# Altium PCB 400442.PcbDoc (part 2 of 4)
Units mil, origin at the board's own origin, x right, y up, seen from the top; angles counter-clockwise.
Board outline 5375 x 2500 mil, 4 copper layers (Top Layer, Mid-Layer 1, Mid-Layer 2, Bottom Layer), stack 59.252 mil thick; 333 components, 216 nets, 1371 pads, 1287 vias.
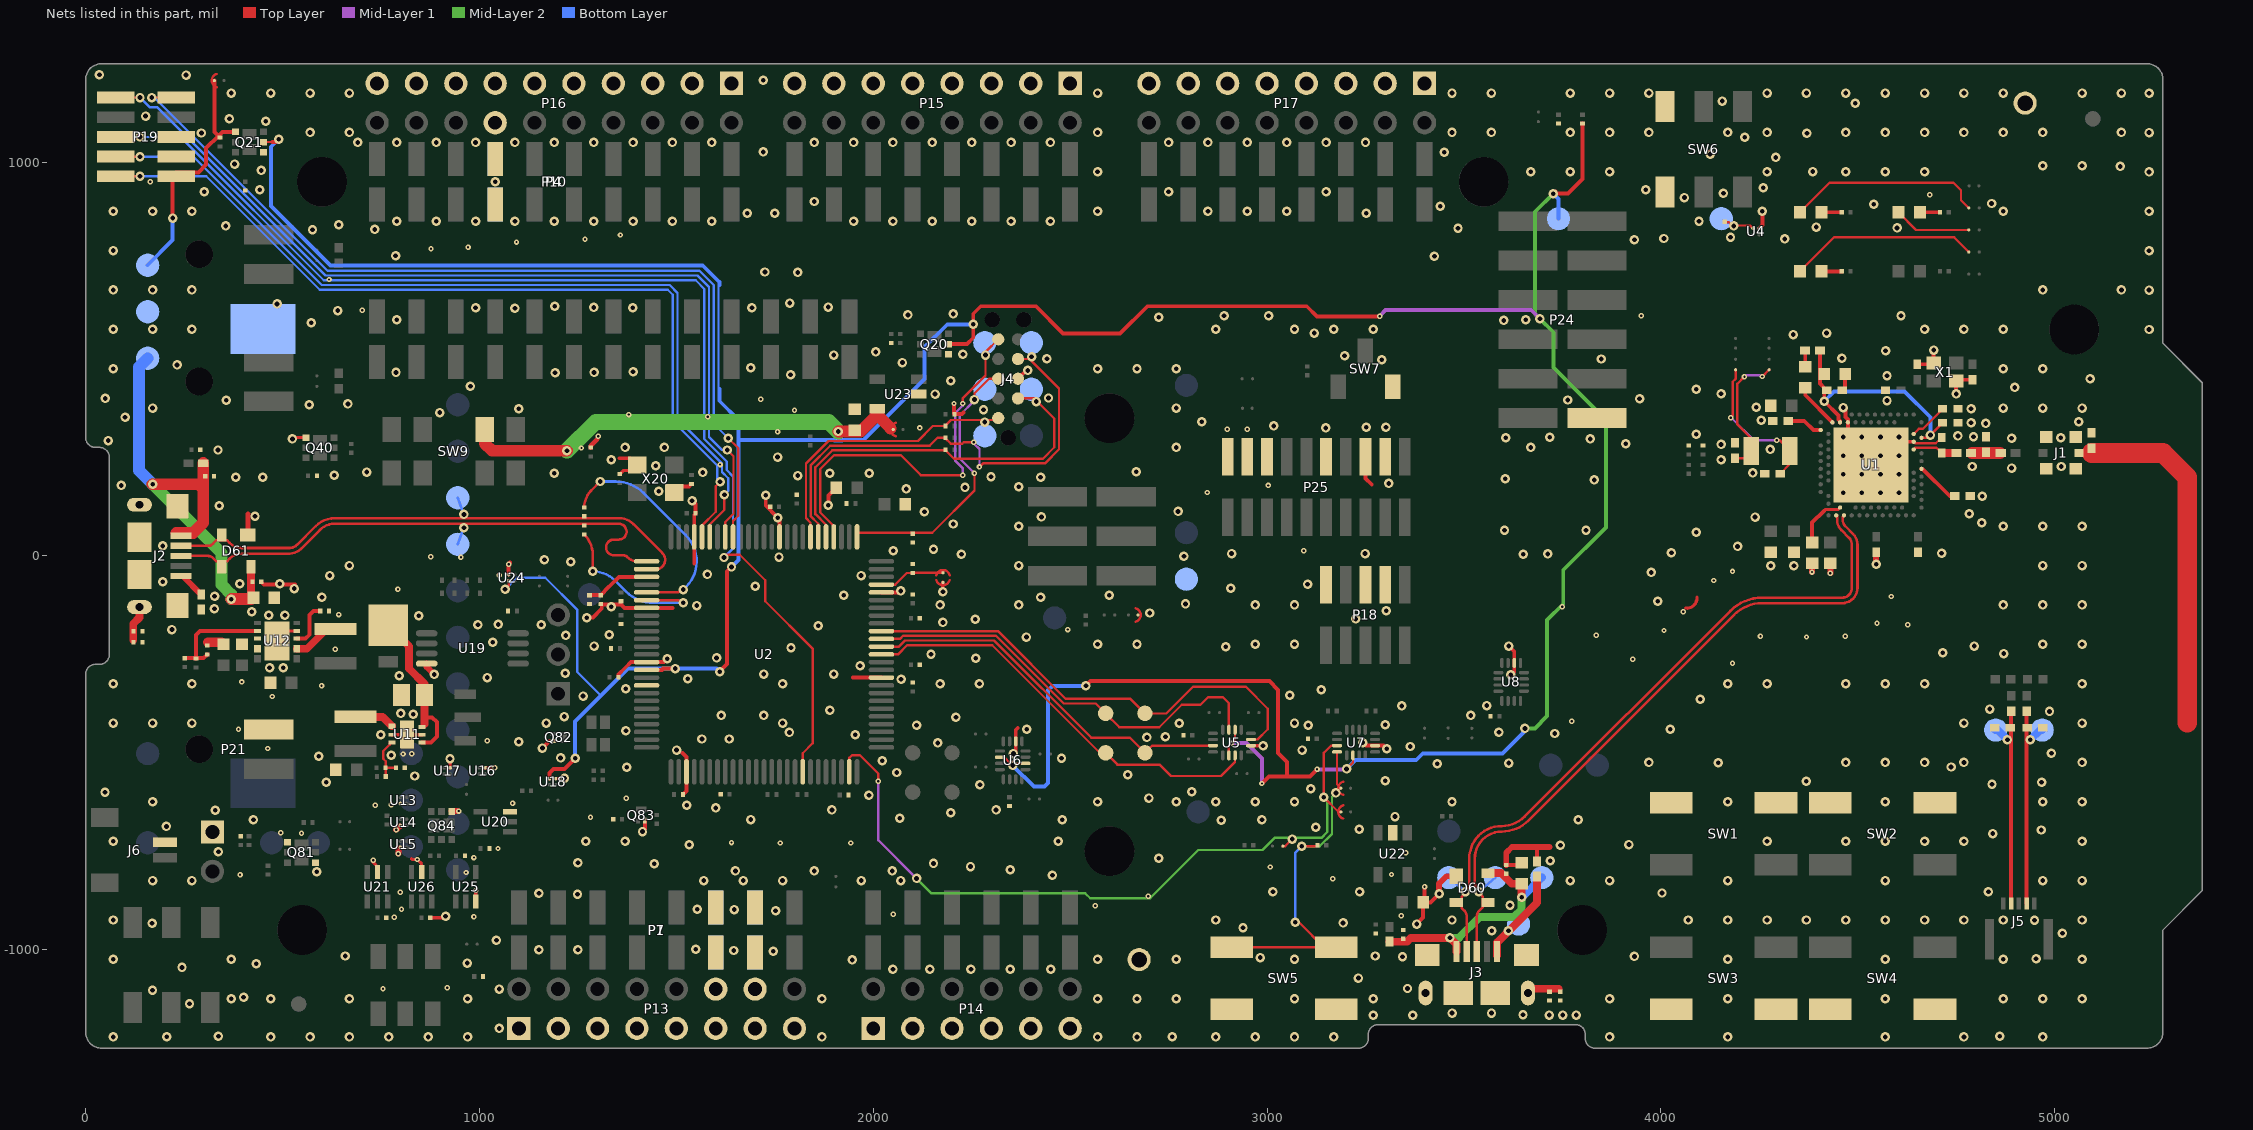
[diagram p4: the nets of this part, all layers, seen from the top]

## Part data (continued)
C24 C25 C26 C28 C31 C32 C33 C34 C35 C36 C37 C40 C41 C42 C43 C45 C48 C50 C62 C65 C68 C69 C85 C89 C90 C93 C94: library part C0201-100n, "Capacitor, X5R, ±10%", Part number IPS=00000001248, Artikkelnr Noca=N.A., ComponentLink1Description=Datasheet, ComponentLink2Description="Supplier link", Footprint Doc=0201, LatestRevisionDate=2017-11-09, Note=16V, Part Number=C0201-100n, Pin Count=2, Published=2014-11-13, Publisher="Nordic Semiconductor"
C27: library part C0201-10p, "Capacitor, NP0, ±5%, 25V", Part number IPS=N.A., Artikkelnr Noca=N.A., ComponentLink1Description=Datasheet, ComponentLink2Description="Supplier link", Footprint Doc=0201, LatestRevisionDate=2014-11-13, Note="Chip Cap 1%", Part Number=C0201-10p, Pin Count=2, Published=2014-11-13, Publisher="Nordic Semiconductor"
C29 C30: library part C0201-18p, "Capacitor, NP0, ±2%, 25V", Part number IPS=N.A., Artikkelnr Noca=N.A., ComponentLink1Description=Datasheet, ComponentLink2Description="Supplier link", Footprint Doc=0201, LatestRevisionDate=2014-11-13, Note="Chip Cap 1%", Part Number=C0201-18p, Pin Count=2, Published=2014-11-13, Publisher="Nordic Semiconductor"
C38 C39 C61 C64: library part C0603-10µ, "Capacitor, X5R, ±20%", Part number IPS=00000007785, Artikkelnr Noca=20039234, ComponentLink1Description=Datasheet, ComponentLink2Description="Supplier link", Footprint Doc=0603, LatestRevisionDate=2011-01-17, Note=6.3V, Part Number=C0603-10µ, Pin Count=2, Published=2011-01-17, Publisher="Nordic Semiconductor"
C44 C60 C63: library part C0201-10n, "Capacitor, X7R, ±10%", Part number IPS=00000003480, Artikkelnr Noca=N.A., ComponentLink1Description=Datasheet, ComponentLink2Description="Supplier link", Footprint Doc=0201, LatestRevisionDate=2017-11-09, Note=10V, Part Number=C0201-10n, Pin Count=2, Published=2014-11-13, Publisher="Nordic Semiconductor"
C46 C47: library part C0402-300p, "Capacitor, NP0, ±5%", Part number IPS=N.A., Supplier Part Number 1=490-3234-1-ND, Artikkelnr Noca=20020004, ComponentLink1Description=Datasheet, ComponentLink2Description="Supplier link", Footprint Doc=0402, LatestRevisionDate=2016-08-25, Note=50V, Part Number=C0402-300p, Pin Count=2, Published=2015-05-29, Publisher="Nordic Semiconductor", Supplier 1=Digi-Key
C51 C52: library part C0201-N.C., "Not mounted", Part number IPS=N.A., Artikkelnr Noca=N.A., Assembly="Not mounted", ComponentLink1Description=Datasheet, ComponentLink2Description="Supplier link", Footprint Doc=0201, LatestRevisionDate=2014-11-13, Note="Chip Cap", Part Number=C0201-N.C., Pin Count=2, Published=2014-11-13, Publisher="Nordic Semiconductor"
C66 C67: library part C0201-4n7, "Capacitor, X5R, ±10%, 25V", Part number IPS=N.A., Artikkelnr Noca=N.A., ComponentLink1Description=Datasheet, ComponentLink2Description="Supplier link", Footprint Doc=0201, LatestRevisionDate=2014-11-13, Note="Chip Cap 1%", Part Number=C0201-4n7, Pin Count=2, Published=2014-11-13, Publisher="Nordic Semiconductor"
C80 C82 C83 C88: library part C0603-10µ-25V, "Capacitor, X5R, ±20%, 25V", Manufacturer=Samsung, Manufacturer Part Number=CL10A106MA8NRNC, Part number IPS=00000009948, Supplier Part Number 1=1276-1869-1-ND, Artikkelnr Noca=20039436, ComponentLink1Description=Datasheet, ComponentLink2Description="Supplier link", Footprint Doc=0603, HelpURL=http://www.samsungsem.com/kr/front/downloadcms.do?path=/kr/support/product-search/mlcc/__icsFiles/afieldfile/2014/11/05&fileName=S_CL10A106MA8NRNC.pdf, LatestRevisionDate=2015-04-10, Note=25V, Part Number=C0603-10µ-25V, Pin Count=2, Published=2015-04-10, Publisher="Nordic Semiconductor", Supplier 1=Digi-Key
C81: library part C0201-15p, "Capacitor, NP0, ±2%, 25V", Part number IPS=N.A., Artikkelnr Noca=N.A., ComponentLink1Description=Datasheet, ComponentLink2Description="Supplier link", Footprint Doc=0201, LatestRevisionDate=2014-11-13, Note="Chip Cap 1%", Part Number=C0201-15p, Pin Count=2, Published=2014-11-13, Publisher="Nordic Semiconductor"
C84: library part C0201-470n, "Capacitor, X5R, ±10%, 6.3V", Part number IPS=N.A., Artikkelnr Noca=N.A., ComponentLink1Description=Datasheet, ComponentLink2Description="Supplier link", Footprint Doc=0201, LatestRevisionDate=2014-11-13, Note="Chip Cap 1%", Part Number=C0201-470n, Pin Count=2, Published=2014-11-13, Publisher="Nordic Semiconductor"
C86: library part C0805-4µ7, "Capacitor, X5R, ±10%, 16V", Part number IPS=N.A., Artikkelnr Noca=20039266, ComponentLink1Description=Datasheet, ComponentLink2Description="Supplier link", Footprint Doc=0805, LatestRevisionDate=2013-06-04, Note=16V, Part Number=C0805-4µ7, Pin Count=2, Published=2009-08-21, Publisher="Nordic Semiconductor"
C87: library part C0201-150p, "Capacitor, X7R, ±10%, 16V", Part number IPS=N.A., Artikkelnr Noca=N.A., ComponentLink1Description=Datasheet, ComponentLink2Description="Supplier link", Footprint Doc=0201, LatestRevisionDate=2014-11-13, Note="Chip Cap 1%", Part Number=C0201-150p, Pin Count=2, Published=2014-11-13, Publisher="Nordic Semiconductor"
D60 D61: "Ultra low capacitance double rail-to-rail ESD protection diode", Manufacturer=NXP, Part number IPS=00000009951, Supplier Part Number 1=568-4140-1-ND, Artikkelnr Noca=10069015, ComponentLink1Description=Datasheet, ComponentLink2Description="Supplier link", Footprint Doc=SOT-143B, HelpURL=http://www.farnell.com/datasheets/109718.pdf, LatestRevisionDate=2017-11-09, Manufacturer Part Number=PRTR5V0U2X, Part Number=PRTR5V0U2X, Pin Count=4, Published=2012-06-11, Publisher="Nordic Semiconductor", Supplier 1=Digi-Key, Supplier 2=Farnell, Supplier Part Number 2=152-4157
D80 D81 D82 D83: "20V schottky barrier diode, Vf 350 mV @ 100 mA, Ir 2.0 µA @ 10 V, If 500 mA", Manufacturer="ON Semiconductor", Part number IPS=00000009952, Supplier Part Number 1=NSR0620P2T5GOSCT-ND, Artikkelnr Noca=10029169, ComponentLink1Description=Datasheet, ComponentLink2Description="Supplier link", Footprint Doc=SOD-923, HelpURL=http://www.onsemi.com/pub_link/Collateral/NSR0620P2-D.PDF, LatestRevisionDate=2016-07-07, Manufacturer Part Number=NSR0620P2T5G, Part Number=NSR0620P2T5G, Pin Count=2, Published=2016-07-07, Publisher="Nordic Semiconductor", Supplier 1=Digi-Key
D84: "Diode Schottky Vf=0.455V @ 100mA, Vr=10V, If=1000mA, Ir=1µA @ 10V", Manufacturer="ON Semiconductor", Manufacturer Part Number=MBRM110ET1G, Part number IPS=N.A., Supplier Part Number 1=MBRM110ET1GOSTR-ND, Artikkelnr Noca=10029172, ComponentLink1Description=Datasheet, ComponentLink2Description="Supplier link", Footprint Doc=DO-216AA, HelpURL=http://media.digikey.com/pdf/Data%20Sheets/ON%20Semiconductor%20PDFs/MBRM110E-D.pdf, LatestRevisionDate=2016-10-24, Part Number=MBRM110E, Pin Count=2, Published=2016-10-24, Publisher="Nordic Semiconductor", Supplier 1=Digi-Key, Supplier 2=Farnell, Supplier Part Number 2=236-9429
FB60 FB61 FB62 FB63: library part FB0402-120R@100M-500mA, "Ferrite Bead, 120 Ohm @ 100MHz, 500mA, 250 mOhm Max", Manufacturer=Murata, Manufacturer Part Number=BLM15AG121SN1D, Part number IPS=00000009954, Supplier Part Number 1=490-1005-1-ND, Artikkelnr Noca=33029317, ComponentLink1Description=Datasheet, ComponentLink2Description="Supplier link", Footprint Doc=0402, HelpURL=http://search.murata.co.jp/Ceramy/image/img/PDF/ENG/L0110S0100BLM15A_SN.pdf, LatestRevisionDate=2014-01-10, Note="Chip EMIFIL Inductor Type Chip Ferrite Bead", Part Number=FB0402-120R@100M-500mA, Pin Count=2, Published=2011-11-14, Publisher="Nordic Semiconductor", Supplier 1=Digi-Key, Supplier 2=Farnell, Supplier Part Number 2=151-5760
Fid1 Fid2: library part Fid-Mark, "Fiducial Mark", Part number IPS=N.A., Artikkelnr Noca=N.A., ComponentLink1Description=Datasheet, ComponentLink2Description="Supplier link", Footprint Doc=Fiducial, LatestRevisionDate=2009-12-12, Part Number=Fid-Mark, Pin Count=1, Published=2009-12-12, Publisher="Nordic Semiconductor"
J1: "Coaxial Connector with Switch", Manufacturer=Murata, Part number IPS=00000009955, Supplier Part Number 1=490-4981-1-ND, Artikkelnr Noca=55029011, ComponentLink1Description=Datasheet, ComponentLink2Description="Supplier link", Footprint Doc=COAXIAL-SWF, HelpURL=http://www.murata.com/products/catalog/pdf/o33e.pdf, LatestRevisionDate=2014-04-24, Manufacturer Part Number=MM8130-2600, Part Number=MM8130-2600, Pin Count=3, Published=2014-04-24, Publisher="Nordic Semiconductor", Supplier 1=Digi-Key, Supplier 2=Mouser, Supplier Part Number 2=81-MM8130-2600RA2
J2 J3: library part USB-Micro-B-RA-SMD-PiP, "MicroUSB-B-SMT", Manufacturer="Allen Creations Corp.", Manufacturer Part Number=AJU55-BS2111-L, Part number IPS=00000007790, Artikkelnr Noca=55029020, ComponentLink1Description=Datasheet, ComponentLink2Description="Supplier link", Footprint Doc=USB-Micro-B-RA-SMD-PiP, HelpURL="\\hizz\pro\app9717\Datasheet\connectores\Allen Creations Corp\AJU-211.pdf", LatestRevisionDate=2016-04-21, Part Number=USB-Micro-B-RA-SMD-PiP, Pin Count=5, Published=2014-10-07, Publisher="Nordic Semiconductor", Supplier 1=Cabcon, Supplier 2=Digi-Key, Supplier Part Number 1=AJU55-BS2111-L, Supplier Part Number 2=609-4616-1-ND
J4: library part TC2050-IDC-NLFP, "CBL PLUG-OF-NAILS 10-PIN", Manufacturer="Tag-Connect LLC", Part number IPS=N.A., Supplier Part Number 1=TC2050-IDC-NL-ND, Artikkelnr Noca=N.A., Assembly="Not mounted", ComponentLink1Description=Datasheet, ComponentLink2Description="Supplier link", Footprint Doc=TC2050-IDC-NLFP, HelpURL=http://www.tag-connect.com/Materials/TC2050-IDC%20Datasheet.pdf, LatestRevisionDate=2012-11-21, Manufacturer Part Number=TC2050-IDC-NLFP, Part Number=TC2050-IDC-NLFP, Pin Count=10, Published=2012-11-21, Publisher="Nordic Semiconductor", Supplier 1=Digi-Key
J5: library part FPC_05P-0.5mm-RA-SMD, "0.5mm FPC, 5P,Right Angle SMT,Double Contact,H=1.2mm,White, Tin plated", Manufacturer=W-CON, Manufacturer Part Number=5141-05RZDNWR01, Part number IPS=00000007792, Artikkelnr Noca=55010020, ComponentLink1Description=Datasheet, ComponentLink2Description="Supplier link", Footprint Doc=FPC_05P-0.5mm-RA-SMD, HelpURL=\\hizz\pro\app9717\Datasheet\connectores\W-CON\5141-XXRZDNXX0X.pdf, LatestRevisionDate=2016-04-21, Part Number=FPC_05P-0.5mm-RA-SMD, Pin Count=7, Published=2015-06-22, Publisher="Nordic Semiconductor", Supplier 1=Cabcon, Supplier 2=Digi-Key, Supplier Part Number 1=5141-05RZDNWR01, Supplier Part Number 2=WM9836CT-ND
J6: library part SM02B-SRSS-TB, "1.0mm pitch connector side entry SMD", Manufacturer=JST, Manufacturer Part Number=SM02B-SRSS-TB(LF)(SN), Part number IPS=00000007791, Supplier Part Number 1=455-1802-1-ND, Artikkelnr Noca=55010030, ComponentLink1Description=Datasheet, ComponentLink2Description="Supplier link", Footprint Doc=SM02B-SRSS-TB, HelpURL=http://www.jst-mfg.com/product/pdf/eng/eSH.pdf, LatestRevisionDate=2016-06-20, Note="JST, Header", Part Number=SM02B-SRSS-TB, Pin Count=2, Published=2016-06-20, Publisher="Nordic Semiconductor", Supplier 1=Digi-Key
L1: library part L0402-4n7, "Inductor, 160mA, ±0.1nH", Manufacturer=Murata, Manufacturer Part Number=LQP15MN4N7B02D, Part number IPS=N.A., Supplier Part Number 1=490-1132-1-ND, Artikkelnr Noca=33029164, ComponentLink1Description=Datasheet, ComponentLink2Description="Supplier link", Footprint Doc=0402, HelpURL=http://search.murata.co.jp/Ceramy/image/img/PDF/ENG/L0075S0084LQP15M.pdf, LatestRevisionDate=2012-09-19, Note="High frequency chip inductor ±5%", Part Number=L0402-4n7, Pin Count=2, Published=2009-05-08, Publisher="Nordic Semiconductor", Supplier 1=Digi-Key
L2: library part L0402-2n2, "Inductor, 220mA, ±0.1nH", Manufacturer=Murata, Manufacturer Part Number=LQP15MN2N2B02D, Part number IPS=N.A., Supplier Part Number 1=490-1128-1-ND, Artikkelnr Noca=33029257, ComponentLink1Description=Datasheet, ComponentLink2Description="Supplier link", Footprint Doc=0402, HelpURL=http://search.murata.co.jp/Ceramy/image/img/PDF/ENG/L0075S0084LQP15M.pdf, LatestRevisionDate=2012-09-19, Note="High frequency chip inductor ±5%", Part Number=L0402-2n2, Pin Count=2, Published=2009-05-08, Publisher="Nordic Semiconductor", Supplier 1=Digi-Key
L3: library part L0603-10µ-TDK, "Inductor, 250mA, ±20%, 1.05ohm. -55°C ~ 125°C", Manufacturer=TDK, Manufacturer Part Number=MLZ1608M100WTD25, Supplier Part Number 1=445-175588-1-ND, ComponentLink1Description=Datasheet, ComponentLink2Description="Supplier link", Footprint Doc=0603, HelpURL=https://product.tdk.com/info/en/catalog/datasheets/inductor_automotive_decoupling_mlz1608_en.pdf, LatestRevisionDate=2012-09-19, Part Number=L0603-10µ-TDK, Pin Count=2, Published=2019-05-06, Publisher="Nordic Semiconductor", Supplier 1=Digi-Key, Supplier 2=Mouser, Supplier Part Number 2=810-MLZ1608M100WTD25
L4: library part L0402-15n, "Inductor, 320mA, ±5%", Manufacturer="Taiyo Yuden", Manufacturer Part Number=HK100515NJ-T, Part number IPS=00000001262, Supplier Part Number 1=587-1521-1-ND, Artikkelnr Noca=33029323, ComponentLink1Description=Datasheet, ComponentLink2Description="Supplier link", Footprint Doc=0402, HelpURL=http://www.yuden.co.jp/productdata/catalog/en/mlci04_e.pdf, LatestRevisionDate=2012-09-19, Note="High frequency chip inductor ±10%", Part Number=L0402-15n, Pin Count=2, Published=2010-07-12, Publisher="Nordic Semiconductor", Supplier 1=Digi-Key, Supplier 2=Farnell, Supplier Part Number 2=658-1328
L80: library part NR3015-2µ2-1.5A-72mOhm, "Ferrite Inductor, Shielded, 1,5A, 72mOhm", Manufacturer="Taiyo Yuden", Manufacturer Part Number=NR3015T2R2M, Part number IPS=N.A., Supplier Part Number 1=587-1648-1-ND, Artikkelnr Noca=33029487, ComponentLink1Description=Datasheet, ComponentLink2Description="Supplier link", Footprint Doc=1212, HelpURL=http://www.yuden.co.jp/ut/product/category/inductor/NR3015T2R2M.pdf, LatestRevisionDate=2014-01-22, Part Number=NR3015-2µ2-1.5A-72mOhm, Pin Count=2, Published=2014-01-22, Publisher="Nordic Semiconductor", Supplier 1=Digi-Key, Supplier 2=Farnell, Supplier Part Number 2=188-5853
L81: library part NR3015-4µ7-1.04A-144mOhm, "Ferrite Inductor, Shielded, 1,04A, 144mOhm", Manufacturer="Taiyo Yuden", Manufacturer Part Number=NR3015T4R7M, Part number IPS=00000009960, Supplier Part Number 1=587-1649-1-ND, Artikkelnr Noca=33029551, ComponentLink1Description=Datasheet, ComponentLink2Description="Supplier link", Footprint Doc=1212, HelpURL=http://www.yuden.co.jp/ut/product/category/inductor/NR3015T4R7M.pdf, LatestRevisionDate=2014-01-22, Part Number=NR3015-4µ7-1.04A-144mOhm, Pin Count=2, Published=2014-01-22, Publisher="Nordic Semiconductor", Supplier 1=Digi-Key, Supplier 2=Mouser, Supplier Part Number 2=963-NR3015T4R7M
LED1 LED2 LED3 LED4: library part "VS 25C7M5", "LED, Green, 0603, 573nm, Vf=2.0V, 24mcd, - 40 to +85°C", Manufacturer="Victory Electronics", Part number IPS=N.A., Artikkelnr Noca=13019193, ComponentLink1Description=Datasheet, ComponentLink2Description="Supplier link", Footprint Doc=0603, HelpURL="\\hizz\pro\app9717\Datasheet\optoelectronics\Victory Electronics\VS 25C7M5.pdf", LatestRevisionDate=2017-08-21, Manufacturer Part Number="VS 25C7M5", Part Number="VS 25C7M5", Pin Count=2, Published=2017-08-21, Publisher="Nordic Semiconductor", Supplier 1="EC Partner"
LED5: library part LTST-C195KGJRKT, "Ultra bright AlInGaP Bi-Color LED", Manufacturer="Lite-On Inc", Part number IPS=N.A., Supplier Part Number 1=160-1452-1-ND, Artikkelnr Noca=13019145, ComponentLink1Description=Datasheet, ComponentLink2Description="Supplier link", Footprint Doc=LED_DUAL_0606, HelpURL=http://media.digikey.com/pdf/Data%20Sheets/Lite-On%20PDFs/LTST-C195KGJRKT.pdf, LatestRevisionDate=2013-02-11, Manufacturer Part Number=LTST-C195KGJRKT, Part Number=LTST-C195KGJRKT, Pin Count=4, Published=2012-07-05, Publisher="Nordic Semiconductor", Supplier 1=Digi-Key, Supplier 2=Mouser, Supplier Part Number 2=859-LTST-C195KGJRKT
P1 P3 P6: library part "Socket 1x8 SMD", "Socket 1x8, 2.54mm (100mil), SMD", Manufacturer=W-CON, Manufacturer Part Number=2171-108MS0CUNR1, Part number IPS=00000009963, Artikkelnr Noca=55030002, ComponentLink1Description=Datasheet, ComponentLink2Description="Supplier link", Footprint Doc=SOCKET_1x8_SMD, LatestRevisionDate=2017-10-23, Part Number="Socket 1x8 SMD", Pin Count=8, Published=2016-01-22, Publisher="Nordic Semiconductor", Supplier 1=Cabcon, Supplier 2=Samtec, Supplier Part Number 1=2171-108MS0CUNR1, Supplier Part Number 2=SSM-108-F-SV-P-TR
P2: library part "Socket 1x6 SMD", "Socket 1x6, 2.54mm (100mil), SMD", Manufacturer=W-CON, Manufacturer Part Number=2171-106MS0CUNR1, Part number IPS=00000009964, Artikkelnr Noca=55030001, ComponentLink1Description=Datasheet, ComponentLink2Description="Supplier link", Footprint Doc=SOCKET_1x6_SMD, LatestRevisionDate=2017-10-23, Part Number="Socket 1x6 SMD", Pin Count=6, Published=2016-01-22, Publisher="Nordic Semiconductor", Supplier 1=Cabcon, Supplier 2=Samtec, Supplier Part Number 1=2171-106MS0CUNR1, Supplier Part Number 2=SSM-106-F-SV-P-TR
P4: library part "Socket 1x10 SMD", "Socket 1x10, 2.54mm (100mil), SMD", Manufacturer=W-CON, Manufacturer Part Number=2171-110MS0CUNR1, Part number IPS=00000009965, Artikkelnr Noca=55030004, ComponentLink1Description=Datasheet, ComponentLink2Description="Supplier link", Footprint Doc=SOCKET_1x10_SMD, LatestRevisionDate=2016-01-22, Part Number="Socket 1x10 SMD", Pin Count=10, Published=2016-01-22, Publisher="Nordic Semiconductor", Supplier 1=Cabcon, Supplier 2=Samtec, Supplier Part Number 1=2171-110MS0CUNR1, Supplier Part Number 2=SSM-110-F-SV-P-TR
P5: library part "Pin Header 2x3 SMD", "Pin Header 2x3, 2.54mm (100mil) SMD", Manufacturer=W-CON, Manufacturer Part Number=1125-1203S0M116R1, Part number IPS=00000009966, Artikkelnr Noca=55010007, ComponentLink1Description=Datasheet, ComponentLink2Description="Supplier link", Footprint Doc=HDR_2x3-SMD, HelpURL=\\hizz\pro\app9717\Datasheet\connectores\W-CON\1125-12XXXXMXXXXX.PDF, LatestRevisionDate=2016-01-22, Note=SMD, Part Number="Pin Header 2x3 SMD", Pin Count=6, Published=2016-01-22, Publisher="Nordic Semiconductor", Supplier 1=Cabcon, Supplier 2=Samtec, Supplier Part Number 1=1125-1203S0M116R1, Supplier Part Number 2=TSM-103-01-L-DV
P7 P9 P12: library part "Pin List 1x8 SMD, N.C.", "Pin List 1x8, 2.54mm (100mil), SMD", Manufacturer=W-CON, Manufacturer Part Number=1125-1108S0M116R2, Part number IPS=N.A., Artikkelnr Noca=55010006, Assembly="Not mounted", ComponentLink1Description=Datasheet, ComponentLink2Description="Supplier link", Footprint Doc=LIST_1x8_SMD, HelpURL=\\hizz\pro\app9717\Datasheet\connectores\W-CON\1125-11XXXXMXXXXX.pdf, LatestRevisionDate=2016-01-22, Part Number="Pin List 1x8 SMD, N.C.", Pin Count=8, Published=2016-01-22, Publisher="Nordic Semiconductor", Supplier 1=Cabcon, Supplier 2=Samtec, Supplier Part Number 1=1125-1108S0M116R2, Supplier Part Number 2=TSM-108-01-L-SV-P-TR
P8: library part "Pin List 1x6 SMD, N.C.", "Pin List 1x6, 2.54mm (100mil), SMD", Manufacturer=W-CON, Manufacturer Part Number=1125-1106S0M116R2, Part number IPS=N.A., Artikkelnr Noca=55010026, Assembly="Not mounted", ComponentLink1Description=Datasheet, ComponentLink2Description="Supplier link", Footprint Doc=LIST_1x6_SMD, HelpURL=\\hizz\pro\app9717\Datasheet\connectores\W-CON\1125-11XXXXMXXXXX.pdf, LatestRevisionDate=2016-03-29, Part Number="Pin List 1x6 SMD, N.C.", Pin Count=6, Published=2016-03-29, Publisher="Nordic Semiconductor", Supplier 1=Cabcon, Supplier 2=Samtec, Supplier Part Number 1=1125-1106S0M116R2, Supplier Part Number 2=TSM-106-01-L-SV-P-TR
P10: library part "Pin List 1x10 SMD, N.C.", "Pin List 1x10, 2.54mm (100mil), SMD", Manufacturer=W-CON, Manufacturer Part Number=1125-1110S0M116R2, Part number IPS=N.A., Artikkelnr Noca=55010028, Assembly="Not mounted", ComponentLink1Description=Datasheet, ComponentLink2Description="Supplier link", Footprint Doc=LIST_1x10_SMD, HelpURL=\\hizz\pro\app9717\Datasheet\connectores\W-CON\1125-11XXXXMXXXXX.pdf, LatestRevisionDate=2016-03-29, Part Number="Pin List 1x10 SMD, N.C.", Pin Count=10, Published=2016-03-29, Publisher="Nordic Semiconductor", Supplier 1=Cabcon, Supplier 2=Samtec, Supplier Part Number 1=1125-1110S0M116R2, Supplier Part Number 2=TSM-110-01-L-SV-P-TR
P11: library part "Socket 2x3 SMD Bottom, N.C.", "Socket 2x3, 2.54mm (100mil), SMD", Manufacturer=W-CON, Manufacturer Part Number=2171-203MS0CUNR1, Part number IPS=N.A., Artikkelnr Noca=55030010, Assembly="Not mounted", ComponentLink1Description=Datasheet, ComponentLink2Description="Supplier link", Footprint Doc=SOCKET_2x3_SMD-2.54mm-bottom, HelpURL=\\hizz\pro\app9717\Datasheet\connectores\W-CON\2171-2XXMXXCUNXX.pdf, LatestRevisionDate=2016-03-29, Part Number="Socket 2x3 SMD Bottom, N.C.", Pin Count=6, Published=2014-06-10, Publisher="Nordic Semiconductor", Supplier 1=Cabcon, Supplier 2=Samtec, Supplier Part Number 1=2171-203MS0CUNR1, Supplier Part Number 2=SSM-103-F-DV-P-TR
P13 P15 P17: library part "Pin Header 2x8, N.C.", "Pin Header 2x8, 2.54mm (100mil)", Part number IPS=N.A., Artikkelnr Noca=N.A., Assembly="Not mounted", ComponentLink1Description=Datasheet, ComponentLink2Description="Supplier link", Footprint Doc=HDR_2x8, LatestRevisionDate=2009-12-12, Part Number="Pin Header 2x8, N.C.", Pin Count=16, Published=2009-12-12, Publisher="Nordic Semiconductor"
P14: library part "Pin Header 2x6, N.C.", "Pin Header 2x6, 2.54mm (100mil)", Part number IPS=N.A., Artikkelnr Noca=N.A., Assembly="Not mounted", ComponentLink1Description=Datasheet, ComponentLink2Description="Supplier link", Footprint Doc=HDR_2x6, LatestRevisionDate=2014-07-04, Part Number="Pin Header 2x6, N.C.", Pin Count=12, Published=2009-12-12, Publisher="Nordic Semiconductor"
P16: library part "Pin Header 2x10, N.C.", "Pin Header 2x10, 2.54mm (100mil)", Part number IPS=N.A., Artikkelnr Noca=N.A., Assembly="Not mounted", ComponentLink1Description=Datasheet, ComponentLink2Description="Supplier link", Footprint Doc=HDR_2x10, LatestRevisionDate=2017-02-02, Part Number="Pin Header 2x10, N.C.", Pin Count=20, Published=2017-01-30, Publisher="Nordic Semiconductor"
P18 P19: library part "Pin Header 2x5 SMD, 1.27mm, KS", "Pin Header 2x5, 1.27mm (50mil), SMD, Keying Shroud", Manufacturer=W-CON, Manufacturer Part Number=3132-10MS0BK00R1, Part number IPS=00000009968, Artikkelnr Noca=55010009, ComponentLink1Description=Datasheet, ComponentLink2Description="Supplier link", Footprint Doc=HDR_2x5-SMD-1.27mm, HelpURL=\\hizz\pro\app9717\Datasheet\connectores\W-CON\3132-XXMXXBK00XX.pdf, LatestRevisionDate=2016-04-21, Part Number="Pin Header 2x5 SMD, 1.27mm, KS", Pin Count=10, Published=2016-01-22, Publisher="Nordic Semiconductor", Supplier 1=Cabcon, Supplier 2=Samtec, Supplier Part Number 1=3132-10MS0BK00R1, Supplier Part Number 2=FTSH-105-01-F-DV-K
P20: library part "Pin List 1x13 SMD", "Pin List 1x13, 2.54mm (100mil), SMD", Manufacturer=W-CON, Manufacturer Part Number=1125-1113S0M116R2, Part number IPS=N.A., Artikkelnr Noca=N.A., ComponentLink1Description=Datasheet, ComponentLink2Description="Supplier link", Footprint Doc=LIST_1x13_SMD, LatestRevisionDate=2015-11-10, Part Number="Pin List 1x13 SMD", Pin Count=13, Published=2015-11-10, Publisher="Nordic Semiconductor", Supplier 1=Cabcon, Supplier 2=Samtec, Supplier Part Number 1=1125-1113S0M116R2, Supplier Part Number 2=TSM-113-01-L-SV-P-TR
P21 P22 P23: library part "Pin List Ang 1x2 SMD, 2.54mm", "Pin List 1x2, 2.54mm (100mil), Right Angled, SMD", Manufacturer=W-CON, Manufacturer Part Number=1125B-1102S0Z135R2, Part number IPS=00000009972, Artikkelnr Noca=55010023, ComponentLink1Description=Datasheet, ComponentLink2Description="Supplier link", Footprint Doc=LIST_ANG_1x2-SMD-2.54MM, HelpURL=\\hizz\pro\app9717\Datasheet\connectores\W-CON\1125B-11XXXXZXXXXX.pdf, LatestRevisionDate=2016-05-26, Part Number="Pin List Ang 1x2 SMD, 2.54mm", Pin Count=2, Published=2016-01-22, Publisher="Nordic Semiconductor", Supplier 1=Cabcon, Supplier 2=Samtec, Supplier Part Number 1=1125B-1102S0Z135R2, Supplier Part Number 2=TSM-102-01-L-SH-A
P24: library part "Socket 2x6 SMD", "Socket 2x6, 2.54mm (100mil), SMD", Manufacturer=W-CON, Manufacturer Part Number=2171-206MS0CUNR1, Part number IPS=N.A., Artikkelnr Noca=N.A., ComponentLink1Description=Datasheet, ComponentLink2Description="Supplier link", Footprint Doc=SOCKET_2x6_SMD-2.54mm, LatestRevisionDate=2019-04-12, Part Number="Socket 2x6 SMD", Pin Count=12, Published=2019-04-12, Publisher="Nordic Semiconductor", Supplier 1=Cabcon, Supplier 2=Samtec, Supplier Part Number 1=2171-206MS0CUNR1, Supplier Part Number 2=SSM-106-F-DV-P-TR
P25: library part "Pin Header 2x10 SMD, 1.27mm, KS, N.C.", "Pin Header 2x10, 1.27mm (50mil), SMD, Keying Shroud", Manufacturer=W-CON, Manufacturer Part Number=3132-20MS0BK00R1, Part number IPS=N.A., Artikkelnr Noca=N.A., Assembly="Not mounted", ComponentLink1Description=Datasheet, ComponentLink2Description="Supplier link", Footprint Doc=HDR_2x10-SMD-1.27mm, LatestRevisionDate=2017-10-23, Part Number="Pin Header 2x10 SMD, 1.27mm, KS, N.C.", Pin Count=20, Published=2017-09-07, Publisher="Nordic Semiconductor", Supplier 1=Cabcon, Supplier 2=Digi-Key, Supplier Part Number 1=3132-20MS0BK00R1, Supplier Part Number 2=FTSH-110-01-F-DV-K-ND
P26: library part "Socket 1x13 SMD, N.C.", "Socket 1x13, 2.54mm (100mil), SMD", Manufacturer=W-CON, Manufacturer Part Number=2171-113MS0CUNR1, Part number IPS=N.A., Artikkelnr Noca=N.A., Assembly="Not mounted", ComponentLink1Description=Datasheet, ComponentLink2Description="Supplier link", Footprint Doc=SOCKET_1x13_SMD, LatestRevisionDate=2019-05-27, Part Number="Socket 1x13 SMD, N.C.", Pin Count=13, Published=2019-05-27, Publisher="Nordic Semiconductor", Supplier 1=Cabcon, Supplier 2=Samtec, Supplier Part Number 1=2171-113MS0CUNR1, Supplier Part Number 2=SSM-113-L-SV-P-TR
P27: library part "Pin List 1x2, N.C.", "Pin List 1x2, 2.54mm (100mil)", Part number IPS=N.A., Artikkelnr Noca=N.A., Assembly="Not mounted", ComponentLink1Description=Datasheet, ComponentLink2Description="Supplier link", Footprint Doc=LIST_1x2, LatestRevisionDate=2017-02-02, Part Number="Pin List 1x2, N.C.", Pin Count=2, Published=2017-01-30, Publisher="Nordic Semiconductor"